# Altium PCB Mirror TurnSignal.PcbDoc
Units mm, origin at the board's own origin, x right, y up, seen from the top; angles counter-clockwise.
Board outline 98 x 50.01 mm, 2 copper layers (Top Layer, Bottom Layer); 59 components, 35 nets, 195 pads, 33 vias.
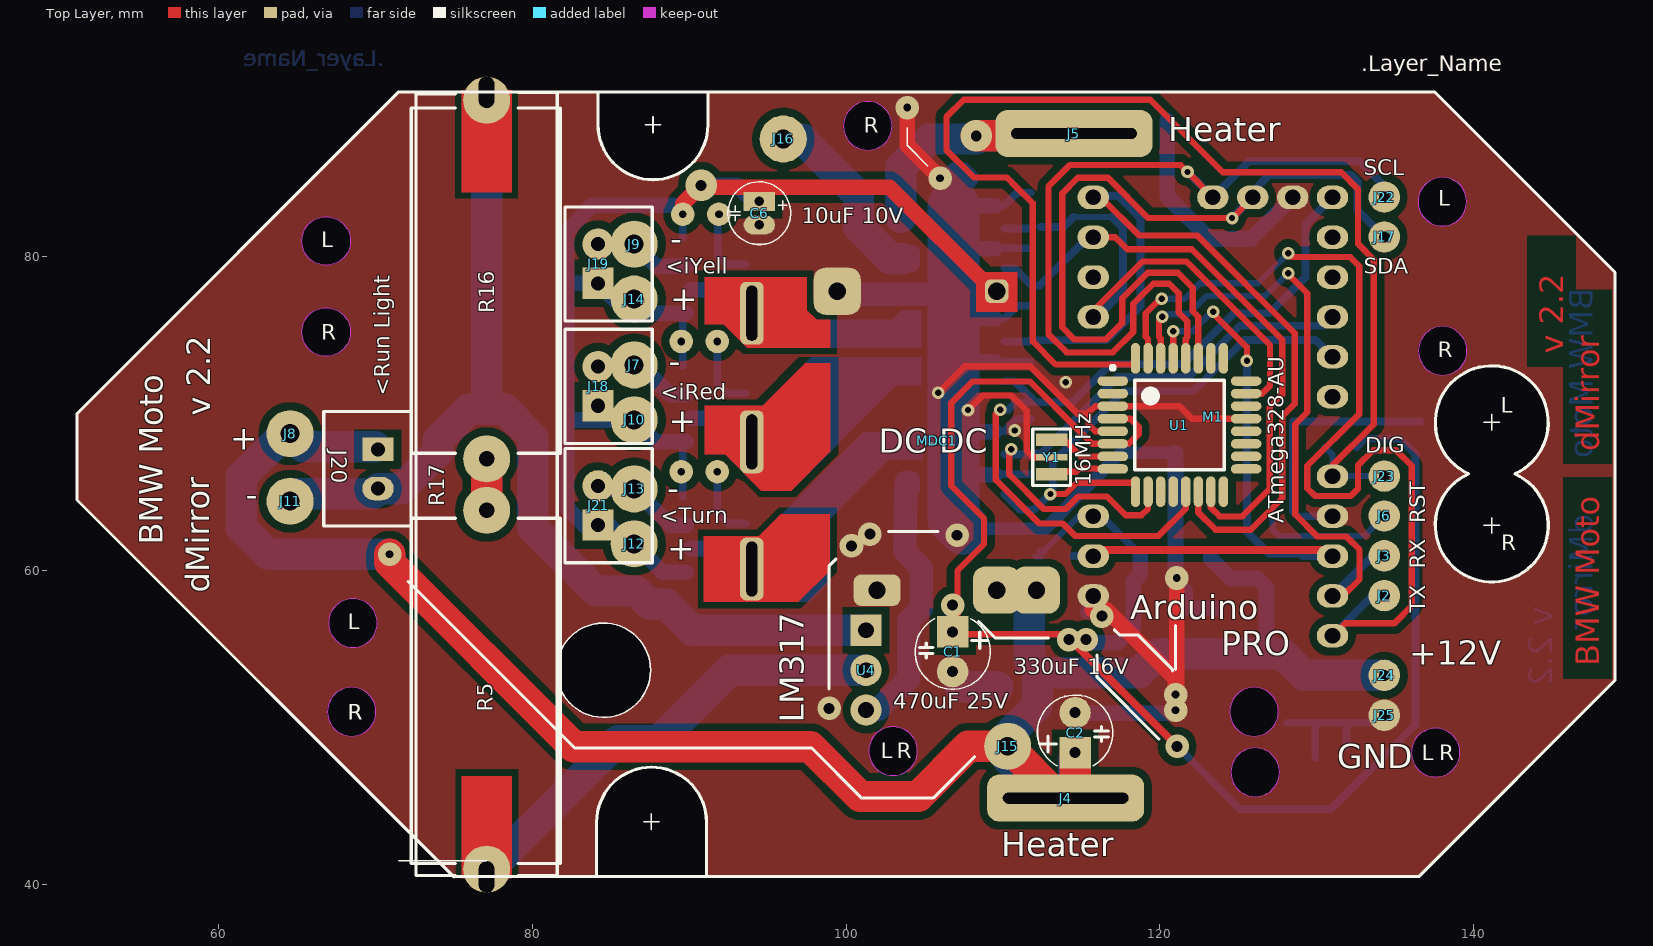
[diagram p0: Top Layer view]
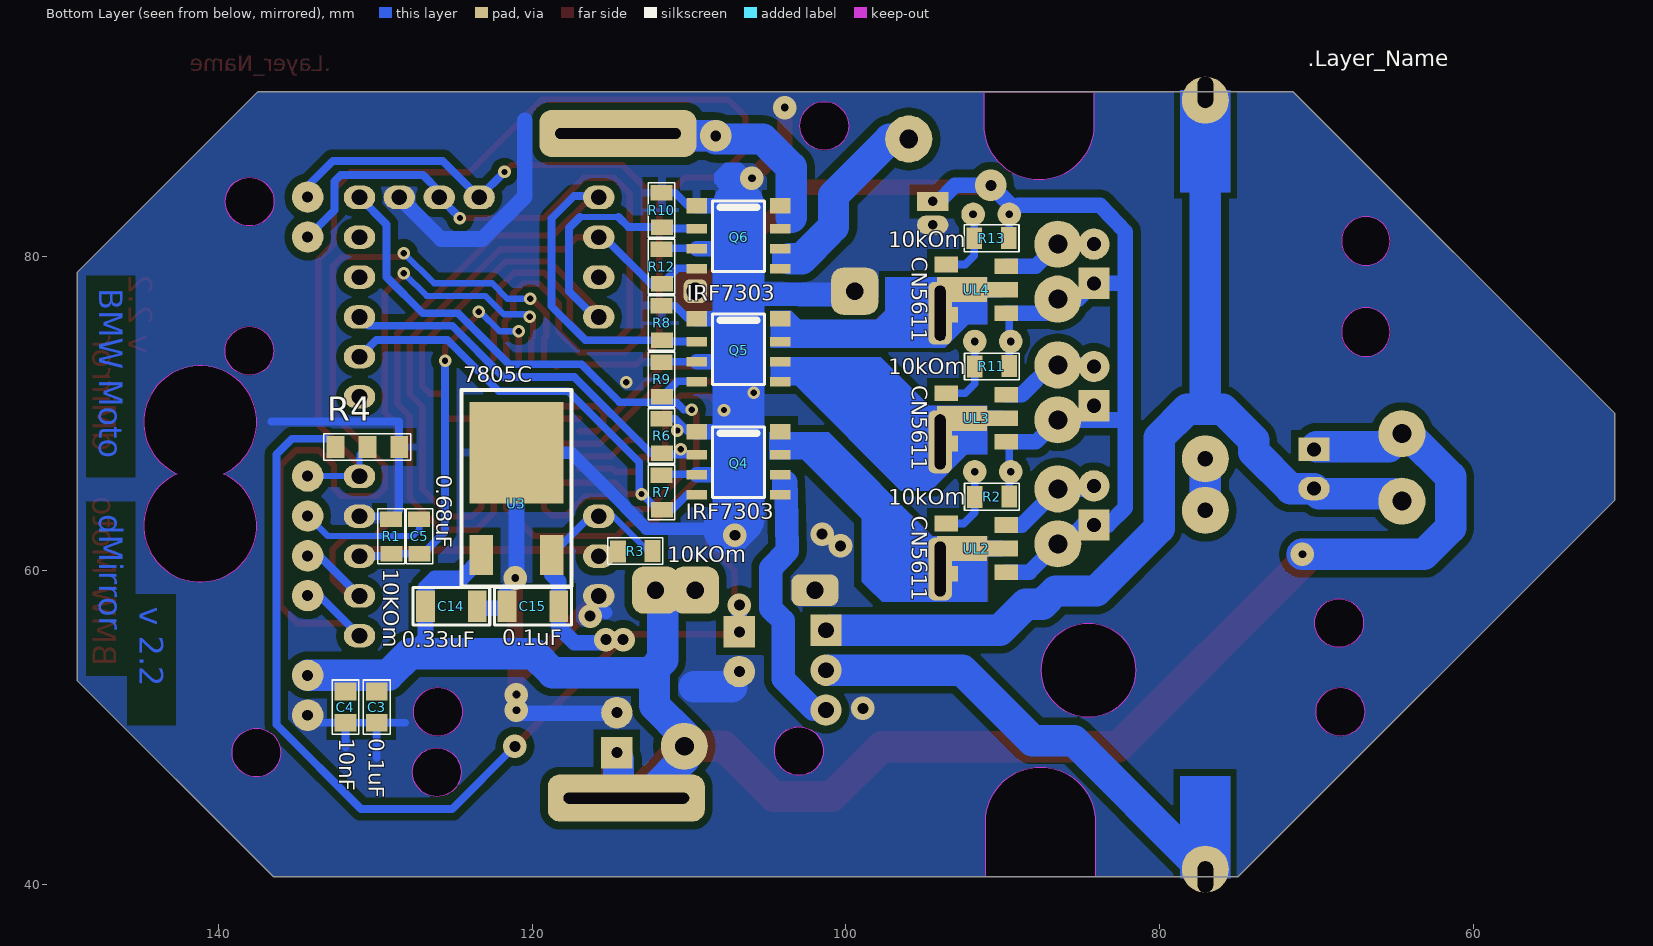
[diagram p1: Bottom Layer view, seen from below]

## Layer stack, top to bottom
Top Solder: solder mask 0.0102, Solder Resist, Dk 3.5
Top Layer: signal copper 0.0356
Dielectric 1: dielectric 0.32, FR-4, Dk 4.8
Bottom Layer: signal copper 0.0356
Bottom Solder: solder mask 0.0102, Solder Resist, Dk 3.5

## Board outline
51,64.5 51,70 71.5,90.5 137.5,90.5 149,79 149,53 136.5,40.5 75,40.5 75.012,40.488
cut-out: 81.55,53.65 ccw(c84.55,53.65) 84.55,50.65 ccw(c84.55,53.65) 87.55,53.65 ccw(c84.55,53.65) 84.55,56.65 ccw(c84.55,53.65)
cut-out: 124.45,51 ccw(c126,51) 126,49.45 ccw(c126,51) 127.55,51 ccw(c126,51) 126,52.55 ccw(c126,51)
cut-out: 139.662,66.171 cw(c141.15,69.449) 142.648,66.176 142.638,66.152 cw(c141.15,62.874)
cut-out: 101.45,48.5 ccw(c103,48.5) 103,46.95 ccw(c103,48.5) 104.55,48.5 ccw(c103,48.5) 103,50.05 ccw(c103,48.5)
cut-out: 101.448,48.492 ccw(c102.998,48.492) 102.998,46.942 ccw(c102.998,48.492) 104.548,48.492 ccw(c102.998,48.492) 102.998,50.042 ccw(c102.998,48.492)
cut-out: 99.839,88.339 ccw(c101.389,88.339) 101.389,86.789 ccw(c101.389,88.339) 102.939,88.339 ccw(c101.389,88.339) 101.389,89.889 ccw(c101.389,88.339)
cut-out: 136.45,83.5 ccw(c138,83.5) 138,81.95 ccw(c138,83.5) 139.55,83.5 ccw(c138,83.5) 138,85.05 ccw(c138,83.5)
cut-out: 136.47,74.002 ccw(c138.02,74.002) 138.02,72.452 ccw(c138.02,74.002) 139.57,74.002 ccw(c138.02,74.002) 138.02,75.552 ccw(c138.02,74.002)
cut-out: 136.025,48.4 ccw(c137.575,48.4) 137.575,46.85 ccw(c137.575,48.4) 139.125,48.4 ccw(c137.575,48.4) 137.575,49.95 ccw(c137.575,48.4)
cut-out: 136.452,83.508 ccw(c138.002,83.508) 138.002,81.958 ccw(c138.002,83.508) 139.552,83.508 ccw(c138.002,83.508) 138.002,85.058 ccw(c138.002,83.508)
cut-out: 124.525,47.15 ccw(c126.075,47.15) 126.075,45.6 ccw(c126.075,47.15) 127.625,47.15 ccw(c126.075,47.15) 126.075,48.7 ccw(c126.075,47.15)
cut-out: 67.032,56.657 ccw(c68.582,56.657) 68.582,55.107 ccw(c68.582,56.657) 70.132,56.657 ccw(c68.582,56.657) 68.582,58.207 ccw(c68.582,56.657)
cut-out: 66.95,51 ccw(c68.5,51) 68.5,49.45 ccw(c68.5,51) 70.05,51 ccw(c68.5,51) 68.5,52.55 ccw(c68.5,51)
cut-out: 66.875,73.65 cw(c66.875,75.2) 65.325,75.2 cw(c66.875,75.2) 66.875,76.75 cw(c66.875,75.2) 68.425,75.2 cw(c66.875,75.2)
cut-out: 66.875,79.45 cw(c66.875,81) 65.325,81 cw(c66.875,81) 66.875,82.55 cw(c66.875,81) 68.425,81 cw(c66.875,81)
cut-out: 84.11,40.5 91.11,40.5 91.11,43.974 ccw(c87.61,43.974) 84.11,43.974
cut-out: 84.2,88.4 ccw(c87.7,88.4) 91.2,88.4 91.2,90.5 84.2,90.5

## Design rules (kind name [scope] priority, off if disabled: settings)
Clearance "Mega 0.2" [InComponent('Y1', 'U1') vs InComponent('Y1', 'U1')] p1: gap=0.2 ignorepadtopadclearanceinfootprint=FALSE
Clearance Clearance_1 [InPolygon vs InPolygon] p2: gap=0.5 ignorepadtopadclearanceinfootprint=FALSE
Clearance Clearance_PolyToBrdCut [InPolygon vs IsRegion] p3: gap=0 ignorepadtopadclearanceinfootprint=FALSE
Clearance Clearance_Poly [InPolygon] p4: gap=0.5 ignorepadtopadclearanceinfootprint=FALSE except(0: Arc-Hole Track-Hole SMDPad-Hole THPad-Hole Via-Hole Fill-Hole Poly-Hole Region-Hole Text-Hole)
Clearance [All] p5: gap=0.3 ignorepadtopadclearanceinfootprint=FALSE except(0: Arc-Hole Track-Hole SMDPad-Hole THPad-Hole Via-Hole Fill-Hole Poly-Hole Region-Hole Text-Hole)
ComponentClearance Component2componentZero [InComponent('R4','R5','R16','R17','J21','J12','J13','J7','J9','J10','J14','J19','J18')] p1: gap=0 collisioncheckmode=3 verticalgap=0 showdistances=FALSE
ComponentClearance [All] p2: gap=0.01 collisioncheckmode=3 verticalgap=0.2 showdistances=FALSE
Height [All] p1: minheight=0 maxheight=25 prefheight=12.7
HoleSize [All] p1: absolutevalues=TRUE maxlimit=3.2 minlimit=0.4 maxpercent=80.000 minpercent=20.000
HoleToHoleClearance [All] p1: gap=0.2 allowstackedmicrovias=TRUE
PlaneClearance [All] p1: clearance=0.5
PlaneConnect [All] p1: planeconnectstyle=Relief reliefexpansion=0.5 reliefentries=4 reliefconductorwidth=0.5 reliefairgap=0.01
PolygonConnect [All] p1: thpad.connectstyle=Direct thpad.reliefconductorwidth=0.5 thpad.reliefentries=4 thpad.polygonreliefangle="90 Angle" thpad.airgapwidth=0.5 smdpad.connectstyle=Relief smdpad.reliefconductorwidth=0.5 smdpad.reliefentries=4 smdpad.polygonreliefangle="90 Angle" smdpad.airgapwidth=0.5 via.connectstyle=Direct via.reliefconductorwidth=0.5 via.reliefentries=4 via.polygonreliefangle="90 Angle" via.airgapwidth=0.5
RoutingVias [All] p1: holewidth=0.7 width=1.5 viastyle="Through Hole" minholewidth=0.4 minwidth=0.4 maxholewidth=3.2 maxwidth=7
SilkToSilkClearance [All] p1: silktosilkclearance=0.05
SilkToSolderMaskClearance [IsPad] p1: minsilkscreentomaskgap=0.2 clearancetoexposedcopper=TRUE
SolderMaskExpansion [All] p1: expansion=0.1
Width [All] p1: maxlimit=4 minlimit=0.2 preferedwidth=0.5
22 further rules are at their usual default settings.

## Classes and differential pairs
component class "Mirror TurnSignal - Connectors and Power supply": C1 C2 C3 C4 C6 C14 C15 J2 J3 J4 J5 J6 J7 J8 J9 J10 J11 J12 J13 J14 J15 J16 J17 J18 J19 J20 J21 J22 J23 J24 J25 MDC1 U3
component class "Mirror TurnSignal": C5 C9 M1 Q4 Q5 Q6 R1 R2 R3 R4 R5 R6 R7 R8 R9 R10 R11 R12 R13 R16 R17 U1 U4 UL2 UL3 UL4 Y1

## Components (designator, comment, footprint, x,y, rotation, side; value= is the part's Value field where it differs from the comment)
C1 "330uF 16V" "Cap E p2.54mm D4xH8 (2p)" 106.8,56.1 r270 top
C2 "470uF 25V" "Cap E p2.54mm D4xH8 (2p)" 114.6,48.4 r90 top
C3 "0.1uF" "SMD 0805 (2012)"#1 129.9,52.3 r270 bottom
C4 "10nF" "SMD 0805 (2012)"#1 131.9,52.3 r270 bottom
C5 "0.68uF" "SMD 0805 (2012)"#2 127.2,63.2 r270 bottom
C6 "10uF 10V" "Cap E p1.5mm D4xH8 (2p)" 94.475,83.525 r270 top
C14 "0.33uF" "SMD 1206 (3216)" 126.8,57.725 r180 bottom
C15 "0.1uF" "SMD 1206 (3216)" 118.3,57.725 r0 bottom
J2 "TX" "OnePin 0.7x2" 134.3,58.4 r0 top
J3 "RX" "OnePin 0.7x2" 134.3,60.94 r0 top
J4 "Heater" "OnePin 3x10mm Hole 0.7x8" 114,45.5 r180 top
J5 "Heater" "OnePin 3x10mm Hole 0.7x8" 114.525,87.85 r180 top
J6 "RST" "OnePin 0.7x2" 134.3,63.48 r0 top
J7 "iR" "OnePin 1.2x3" 86.5,73.1 r180 top
J8 "OnePinC" "OnePin 1.2x3" 64.575,68.725 r0 top
J9 "iY" "OnePin 1.2x3" 86.5,80.8 r180 top
J10 "OnePinC" "OnePin 1.2x3" 86.5,69.6 r180 top
J11 "RunLight" "OnePin 1.2x3" 64.575,64.425 r0 top
J12 "OnePinC" "OnePin 1.2x3" 86.5,61.7 r180 top
J13 "Turn" "OnePin 1.2x3" 86.5,65.2 r180 top
J14 "OnePinC" "OnePin 1.2x3" 86.5,77.3 r180 top
J15 "OnePinC" "OnePin 1.2x3" 110.3,48.8 r180 top
J16 "Reserved" "OnePin 1.2x3" 96,87.5 r180 top
J17 "SDA" "OnePin 0.7x2" 134.3,81.26 r0 top
J18 "Connector" CWF-2#1 84.2,73 r0 top
J19 "Connector" CWF-2#1 84.2,80.8 r0 top
J20 "Connector" CWF-2#2 70.175,65.225 r180 top
J21 "Connector" CWF-2#1 84.2,65.4 r0 top
J22 "SCL" "OnePin 0.7x2" 134.3,83.8 r0 top
J23 "DIG" "OnePin 0.7x2" 134.3,66.02 r0 top
J24 "+12V" "OnePin 0.7x2" 134.3,53.32 r0 top
J25 "GND" "OnePin 0.7x2" 134.3,50.78 r0 top
M1 "Arduino" "Arduino Pro Mini Low (no A0-3,6-7,D3)" 131,91.4 r270 top
MDC1 "DC-DC" "DC-DC_MP1584N - spec1 (less pins)" 112.14,58.75 r90 top
Q4 "IRF7303" SO8 109.5,68.65 r180 bottom
Q5 "IRF7303" SO8 109.5,75.85 r180 bottom
Q6 "IRF7303" SO8 109.5,83.05 r180 bottom
R1 "10KOm" "SMD 0805 (2012)"#2 129,63.2 r270 bottom
R2 "10kOm" "SMD 0805 (2012)"#2 89.675,64.725 r0 bottom
R3 "10KOm" "SMD 0805 (2012)"#2 114.45,61.225 r180 bottom
R4 "1: Om; 2: Om" "SMD 0805 (2012) Double" 132.541,67.85 r180 bottom
R5 "Om" "Res 5W L22mm, p22.86" 77.1,63.835 r270 top
R6 "10 kOm" "SMD 0805 (2012)"#2 111.725,67.55 r90 bottom
R7 "10 kOm" "SMD 0805 (2012)"#2 111.725,63.95 r90 bottom
R8 "10 kOm" "SMD 0805 (2012)"#2 111.725,74.75 r90 bottom
R9 "10 kOm" "SMD 0805 (2012)"#2 111.725,71.15 r90 bottom
R10 "10 kOm" "SMD 0805 (2012)"#2 111.725,81.95 r90 bottom
R11 "10kOm" "SMD 0805 (2012)"#2 89.675,73.025 r0 bottom
R12 "10 kOm" "SMD 0805 (2012)"#2 111.725,78.35 r90 bottom
R13 "10kOm" "SMD 0805 (2012)"#2 89.7,81.2 r0 bottom
R16 "Om" "Res 5W L22mm, p22.86" 77.1,89.975 r270 top
R17 "Om" "Res 10W L48mm, p49mm" 77.1,89.975 r270 top
U1 "ATmega328-AU" 32A_M 121.25,69.275 r0 top
U3 "7805C" D-PAK 121,67.5 r270 bottom
U4 "LM317" "TO220 L" 101.275,56.19 r180 top
UL2 "CN5611" SOT-89-5 93.7,61.4 r90 bottom
UL3 "CN5611" SOT-89-5 93.7,69.7 r90 bottom
UL4 "CN5611" SOT-89-5 93.7,77.9 r90 bottom
Y1 "16MHz" "XTAL - 3.2x1.2 SMD ws GND" 113.1,66.025 r90 top

## Footprints (in the part's own frame and the unit in brackets; to place one, negate y for a bottom-side part, rotate by r counter-clockwise, add the part's x,y. Pads: shape width x height; smd on the part's side, far side on the other; paste and mask are expansions set on the pad)
32A_M [mm] "Thin QFP, 32-Leads, Body 7x7mm, Pitch 0.8mm, IPC Low Density"
  oval 1.95x0.6 smd: 1(-4.25,2.8) 2(-4.25,2) 3(-4.25,1.2) 4(-4.25,0.4) 5(-4.25,-0.4) 6(-4.25,-1.2) 7(-4.25,-2) 8(-4.25,-2.8) 17(4.25,-2.8) 18(4.25,-2) 19(4.25,-1.2) 20(4.25,-0.4) 21(4.25,0.4) 22(4.25,1.2) 23(4.25,2) 24(4.25,2.8)
  oval 0.6x1.95 smd: 9(-2.8,-4.25) 10(-2,-4.25) 11(-1.2,-4.25) 12(-0.4,-4.25) 13(0.4,-4.25) 14(1.2,-4.25) 15(2,-4.25) 16(2.8,-4.25) 25(2.8,4.25) 26(2,4.25) 27(1.2,4.25) 28(0.4,4.25) 29(-0.4,4.25) 30(-1.2,4.25) 31(-2,4.25) 32(-2.8,4.25)
  silkscreen extent -4.37,-2.85 2.85,3.77, body extent -3.5,-3.5 3.5,3.5, height 1.2
"Arduino Pro Mini Low (no A0-3,6-7,D3)" [mm]
  oval 1.5x2 hole 1: 5V(27.94,-15.24) A4(7.62,-5.08) A5(7.62,-7.62) D2(25.4,0) D4(20.32,0) D5(17.78,0) D6(15.24,0) D7(12.7,0) D8(10.16,0) D9(7.62,0) D10(7.62,-15.24) D11(10.16,-15.24) D12(12.7,-15.24) D13(15.24,-15.24) GND(7.62,-2.54) GND(27.94,0) GND(33.02,-15.24) Reset(30.48,-15.24) Reset(30.48,0) RXD(33.02,0) TXD(35.56,0)
  body extent 5.63,-16.93 39.63,1.67, height 12.5
"Cap E p1.5mm D4xH8 (2p)" [mm] "D 4mm; H 8mm"
  rect 1.2x2 hole 0.6: 1(0,0)
  oval 1.2x2 hole 0.6: 2(1.5,0)
  silkscreen extent -1.25,-2 2.75,2, body extent -1.25,-2 2.74,2, height 7.31
"Cap E p2.54mm D4xH8 (2p)" [mm] "D 4mm; H 8mm"
  rect 2x2 hole 0.7: 1(0,0)
  round 2 hole 0.7: 2(2.54,0)
  silkscreen extent -0.84,-2.4 3.67,2.4, body extent -0.7,-2.05 3.29,1.95, height 7.31
CWF-2#1 [mm]
  rect 2x2 hole 0.9: 1(0,-2.5)
  round 2 hole 0.9: 2(0,0)
  silkscreen extent -2.1,-4.9 3.45,2.37, body extent -2.2,-5 3.55,2.5, height 7
CWF-2#2 [mm]
  rect 2x1.5 hole 0.9: 1(0,-2.5)
  oval 2x1.5 hole 0.9: 2(0,0)
  silkscreen extent -2.1,-4.9 3.45,2.37, body extent -2.2,-5 3.55,2.5, height 7
D-PAK [mm]
  rect 2.54x1.5 smd: 1(6.5,-2.25) 3(6.5,2.25)
  rect 6.48x5.97 smd: 2(0,0)
  silkscreen extent -4,-3.5 8.5,3.5, body extent -2.7,-3.29 7,3.29, height 2.3
"DC-DC_MP1584N - spec1 (less pins)" [mm]
  rrect50% 2x3 hole 1.1: GND(0,10.16)
  rrect50% 3x3 hole 1.1: GND(19.05,12.7) IN(0,2.54) IN(0,0)
  rrect50% 1.5x1.5 hole 1.1: Out(19.05,2.54)
  body extent -1.27,-1.27 20.3,14.07, height 6.7
"OnePin 0.7x2" [mm]
  round 2 hole 0.7: 1(0,0)
"OnePin 1.2x3" [mm]
  round 3 hole 1.2: 1(0,0)
"OnePin 3x10mm Hole 0.7x8" [mm]
  rrect50% 10x3 hole 0.7 slot 8 at 0 deg: 1(0,0)
"Res 5W L22mm, p22.86" [mm] "L22mm pp22.86; horisontal"
  round 3 hole 1: 1(0,0) 2(22.86,0)
  silkscreen extent 0.5,-4.8 22.5,4.7, body extent -0.4,-4.5 23.26,4.5, height 9.5
"Res 10W L48mm, p49mm" [mm] "L48mm p49; horisontal"
  round 3 hole 1: 1(0,0) 2(49,0)
  silkscreen extent -0.5,-4.5 49.4,4.5, body extent -0.4,-4.5 49.4,4.5, height 10.55
"SMD 0805 (2012)"#1 [mil]
  rect 45x55 smd: 1(0,0) 2(78.74,0)
  silkscreen extent -29,-33 107,33, body extent 1,-25 80,25, height 31
"SMD 0805 (2012)"#2 [mil]
  rect 39.37x55.12 smd: 1(-2.95,0) 2(83.66,0.98)
  silkscreen extent -29,-32 109,34, body extent 0,-25 79,25, height 31
"SMD 0805 (2012) Double" [mil]
  rect 45x55 smd: 1(0.35,0.98) 2(160.35,0.98) 3(80.35,0.98)
  silkscreen extent -29,-32 189,34, body extent 1,-24 159,26, height 18
"SMD 1206 (3216)" [mm]
  rect 1.2x2 smd: 1(0,0) 2(3.3,0)
  silkscreen extent -0.8,-1.2 4.1,1.2, body extent 0.05,-0.75 3.25,0.85, height 1
SO8 [mm]
  rect 1.3x1 smd: 1(0,0.2) 8(5.3,0.2)
  rect 1.3x0.6 smd: 2(0,-1.27) 3(0,-2.54) 4(0,-3.81) 5(5.3,-3.81) 6(5.3,-2.54) 7(5.3,-1.27)
  silkscreen extent 1,-4 4.3,0.5, body extent -0.32,-4.33 5.67,0.57, height 1.6
SOT-89-5 [mm]
  rect 1x1.5 smd: 1(-1.5,-3.9) 3(1.5,-3.9) 4(1.6,-0.1) 5(-1.6,-0.1)
  rect 1x2.1 smd: 2(0,-3.6)
  rect 1.6x3.2 smd: 2(0,-1.1)
  Top Layer lines w1: 0,-3.6 0,-2
  body extent -2.25,-3.8 2.25,0, height 1.5
"TO220 L" [mm]
  rect 2x2 hole 1: 1(0,0)
  round 2 hole 1: 2(0,2.54) 3(0,5.08)
  body extent -0.2,-2.45 19.5,7.55, height 4.5
"XTAL - 3.2x1.2 SMD ws GND" [mm]
  rect 0.8x2 smd: 1(0.1,0) 2(2.3,0)
  rect 0.4x2 smd: 3(1.2,0)
  silkscreen extent -0.6,-1.2 3,1.2, body extent -0.4,-0.65 2.8,0.65, height 1.02

## Part data
C1 C2 C6: library part "Cap Elecrolitic", "Capacitor"
C3 C4 C5 C14 C15: library part "Cap SMD 0402-1812", "Capacitor"
J2 J3 J4 J5 J6 J7 J8 J9 J10 J11 J12 J13 J14 J15 J16 J17 J22 J23 J24 J25: library part "OnePin Connector", "Only pad"
J18 J19 J20 J21: library part "CWF-2 (R)", "CWF series"
M1: library part "Arduino Pro Micro"
MDC1: library part "DC-DC MP1584N", "DC-DC StepDown"
Q4 Q5 Q6: "Dual N-Ch  30V - 0.05? - 4.9A", I d - Drain current (continuous) at TC = 25°C="4.9 A", I d - Drain current (continuous) at TC = 70°C="3.9 A", Manufacturer=Farchild, C In=520pF, C Out=180pF, Datasheet=http://tec.org.ru/board/0-0-0-3164-20, Name=IRF7303, RDS=<0.05Om, V DSS (v)="30 v"
R1 R2 R3 R6 R7 R8 R9 R10 R11 R12 R13: library part "Res All Types"
R4: library part "Res SMD (Select one way)", "Choice from two resistors"
R5 R16: library part "Res 5W", "5W Cement"
R17: library part "Res 10W", "10W Cement"
U1: "8-bit AVR Microcontroller, 32KB Flash, 1KB EEPROM, 2KB SRAM, 32-pin TQFP, Industrial Grade (-40°C to 85°C)", Supplier Part Number 1=ATMEGA328-AU-ND, Code_JEDEC=MS-026-ABA, ComponentLink1Description="Manufacturer Link", ComponentLink1URL=http://www.atmel.com/products/avr/default.asp?, ComponentLink2Description="ATmega48A/48PA/88A/88PA/168A/168PA/328/328P Datasheet", ComponentLink2URL=http://www.atmel.com/dyn/resources/prod_documents/8271.pdf, ComponentLink3Description="ATmega48A/48PA/88A/88PA/168A/168PA/328/328P Summary", ComponentLink3URL=http://www.atmel.com/dyn/resources/prod_documents/8271S.pdf, ComponentLink4Description="Atmel.com Home", ComponentLink4URL=http://www.atmel.com, DatasheetVersion="revA, Jan-2010", PackageDescription="32-Lead, 7x7x1.0 mm Body, 0.8mm Lead Pitch, Thin Profile Plastic Quad Flat Package (TQFP)", PackageReference=32A, PackageVersion="revB, Oct-2001", Published=1-Apr-2010, Publisher="Altium Limited", Supplier 1=Digi-Key, Supplier 2=Mouser, Supplier Part Number 2=556-ATMEGA328-AU
U3: "Voltage Regulator", Case=D2PAK, Manufacturer=Интеграл, Max Voltage In (V)=35, I output (A)=1, Name=7805C, Shema=http://tec.org.ru/_bd/5/57349922.jpg, t=-10..+70°C, V Out=+4,8..5,2V, Напряжение выход-вход (dropout)=>2V
U4: library part LM-317, "Voltage Regulator", Case=TO-220, Datasheet=http://www.ti.com/lit/ds/symlink/lm317.pdf, I output (A) Adjustable=0.01...1.5A, V Out=+1,2...37V, Напряжение выход-вход (dropout)="2 v"
UL2 UL3 UL4: "Led Driver 0-800mA 2.7-6V", ComponentLink2Description=Datasheet, Name=CN5611, PackageDescription=SOT-89
Y1: library part "XTAL ws CAP", "3 Pin with Capacitors", CSTCE16M0V53-R0 DatySheet=http://www.murata.com/~/media/webrenewal/support/library/catalog/products/timingdevice/ceralock/p17e.ashx, PackageDescription="Crystal, SMD; 3 Pads; Body 3.2 x 1.2 x 1 mm"

## Free pads (board coordinates)
  round 1.5 hole 0.5: 2(91.8,66.3) 2(91.8,74.6) 2(91.9,82.7) 3(89.5,66.3) 3(89.5,74.6) 3(89.6,82.7)
  rrect50% 1.5x4 hole 0.7 slot 3.5 at 90 deg: 4(94,60.1) 4(94,68.2) 4(94,76.4)
  oval 1x2 hole 1 slot 2 at 90 deg: 9(77.1,40.475) 9(77.1,90.475)

## Via types
v1: diameter 0.8, hole 0.4, Top Layer to Bottom Layer, 16 vias
v2: diameter 1.5, hole 0.7, Top Layer to Bottom Layer, 9 vias
v3: diameter 1.5, hole 0.5, Top Layer to Bottom Layer, 6 vias
v4: diameter 2, hole 0.7, Top Layer to Bottom Layer, 2 vias

## Nets (pads, with @x,y where several pads share a name; then routed paths per layer and width w, separated by ;. In a path a pad name is that pad's centre, name@x,y a point inside that pad or via, vN(x,y) a via of type N, cw(c..) or ccw(c..) an arc to the next point about the centre after c; other vN are vias at no path point)
+5V: C1.1 C15.1 M1.5V R3.2 R4.1 U1.4 U1.6 U3.3 | length 110.1
  Top Layer w0.4: v2(114.2,55.6) 113.855,55.945 107.355,55.945 107.1,56.2 107.1,60 108.8,61.7 108.8,63.3 106.7,65.4 106.7,70.675 108.075,72.05 111.71,72.05 114.75,69.01 115.685,68.075 U1.6 118.025,68.075 118.65,68.7 118.65,69.15 118.125,69.675 U1.4
  Top Layer w0.5: v2(114.2,55.6) 114.2,55.7 v2(121.1,48.8)
  Bottom Layer w0.4: R3.2@112.1,60.9 R3.2@112.45,60.9 ; R3.2 112.625,61.25 114.835,63.46 M1.5V
  Bottom Layer w0.5: M1.5V 116.29,63.46 U3.3 ; v2(121.1,48.8) 125.1,44.8 130.9,44.8 136.3,50.2 136.3,67.4 135.3,68.4 133.057,68.4 R4.1
  Bottom Layer w1: C1.1 v2(106.8,57.8) ; v2@114.6,55.6 v2(115.3,55.6) 115.5,55.4 117.3,55.4 118.3,56.4 C15.1 118.3,59.3 118.75,59.75 U3.3
"+5V P": C6.1 J10.1 J12.1 J14.1 J18.1 J19.1 J21.1 MDC1.Out pad.3 R2.1 R11.1 R13.1 UL2.1 UL3.1 UL4.1 | length 90.7
  Top Layer w1: pad.3@89.6,82.7 89.6,83.375 v4@90.65,84.425 ; v4(90.775,84.55) v4@90.65,84.425 ; MDC1.Out@109.55,77.775 109.425,77.775 102.775,84.425 94.475,84.425 v4@90.65,84.425
  Bottom Layer w0.5: R2.1 89.6,68 UL3.1 ; R11.1 89.6,76.2 UL4.1 ; pad.3@89.6,82.7 89.6,81.225 R13.1
  Bottom Layer w1: 82.3,69.6 J10.1@85.1,69.6 ; J18.1 J10.1@85.1,69.6 ; J12.1@86.3,61.5 84.9,62.9 J21.1 83.3,62.9 82.2,64 82.2,78.3 ; J12.1 88.3,59.9 UL2.1 ; J14.1 85.2,77.3 J19.1 82.2,78.3 ; J14.1@87.3,76.4 UL4.1 ; UL3.1 87.9,68.2 J10.1 J10.1@85.1,69.6 ; C6.1 94.075,83.525 93.05,84.55 v4(90.775,84.55) 89.6,83.375 89.6,82.7 89.025,83.275 83.805,83.275 82.2,81.59 82.2,78.3
+12V: C2.1 C3.1 C4.1 C14.1 J4.1 J8.1 J15.1 J20.1 J24.1 MDC1.IN U3.1 | length 127.5
  Top Layer w2: v3(70.915,61.035) 70.915,60.51 82.651,48.774 97.726,48.774 100.9,45.6 104.6,45.6 107.8,48.8 J15.1@109.5,48.8 ; J15.1 113.6,45.5 J4.1 114.6,46.1 C2.1
  Bottom Layer w1: U3.1 123.25,60.75 124.5,59.5 126.2,59.5 126.8,58.9 C14.1 126.8,55.7 127.8,54.7
  Bottom Layer w1.5: J20.1@70,67.9 J20.1
  Bottom Layer w2: J20.1@70,67.9 65.4,67.9 J8.1 64.225,68.725 61.475,65.975 61.475,62.725 63.165,61.035 v3(70.915,61.035) ; MDC1.IN@111.675,58.85 111.675,54.325 111.96,54.04 ; J4.1@112.3,46 110.3,48 J15.1 110.3,49.5 112.2,51.4 112.2,53.5 118.7,53.5 119.9,54.7 127.8,54.7 129.16,53.34 J24.1@134.3,53.34 ; J4.1 114.5,46 C2.1@114.5,47.96
DIG: J23.1 M1.D2 R4.3 U1.32 | length 79.3
  Top Layer w0.4: U1.32@118.45,72.975 118.3,73.125 113.375,73.125 111.9,74.6 111.9,83.4 110.8,84.5 110.25,85.05 108.15,85.05 106.4,86.8 106.4,88.9 107.5,90 119.375,90 124,85.375 131.552,85.375 132.625,84.302 132.625,80.814 133.625,79.814 133.625,69.325 131,66.7 M1.D2
  Bottom Layer w0.4: R4.3 131,67.375 M1.D2 131.02,66.02 J23.1
GND: C1.2 C2.2 C3.2 C4.2 C6.2 C14.2 C15.2 J25.1 M1.GND MDC1.GND Q4.1 Q4.3 Q5.1 Q5.3 Q6.1 Q6.3 R1.1 R4.2 R6.2 R7.2 R8.2 R9.2 R10.2 R12.2 U1.3 U1.5 U1.21 U3.2 Y1.3 | length 189.2
  Top Layer w0.4: v1(105.875,71.325) 107.575,73.025 111.725,73.025 114.75,70 115.45,70 115.45,69.3 115.875,68.875 U1.5 ; v1(107.775,70.225) 108.7,71.15 110.55,71.15 111.525,70.175 111.525,67.625 111.925,67.225 Y1.3 ; 115.45,70.05 115.875,70.475 U1.3 121.25,70.475 122.05,69.675 U1.21
  Top Layer w1: v3(103.9,89.5) 103.9,87.1 v3(106,85) ; v2@115.7,57.5 116.6,57.5 121,53.1 v3(121,52.1) ; v3(121,51.1) 121.075,51.175 v3(121.075,59.525)
  Bottom Layer w0.5: Q5.3 111.715,73.31 R9.2 ; Q4.3@110.1,66.135 R7.2@111.69,66.135 ; Q4.1@110.1,68.875 110.9,69.675 R6.2 ; Q5.1@110.1,76.075 110.9,76.875 R8.2 ; Q6.3@110.1,80.535 R12.2@111.69,80.535 ; Q6.1@110.1,83.275 110.9,84.075 R10.2 ; 128.1,50.3 C3.2 ; 129.9,48.069 C3.2 ; M1.GND@131,63.46 129.185,63.46 R1.1 128.475,63.8 128.475,69.5 136.6,69.5 ; 131.9,48.75 C4.2 ; J25.1@133.5,50.3 C4.2 ; C3.2 C4.2
  Bottom Layer w0.8: v2@107.475,62.675 112.715,62.675 114.06,64.02 114.06,64.061 117.499,67.5 U3.2 ; 115.275,57.325 115.76,57.81 M1.GND@115.76,58.38
  Bottom Layer w1: 106.85,83.25 Q6.1 ; 106.865,66.11 Q4.3 ; 106.885,80.51 Q6.3 ; 106.9,68.85 Q4.1 ; 106.9,76.05 Q5.1 ; 106.965,73.31 Q5.3 ; C2.2@114.5,50.5 114.9,50.9 120.6,50.9 v3@121,51.3 ; 120.475,88.7 120.475,83.825 123.175,81.125 125.805,81.125 M1.GND@128.46,83.78 ; v3@121,59.3 U3.2 ; C15.2@121.6,58.7 C15.2 121.6,57.6 C14.2@123.5,57.6
  Bottom Layer w1.5: MDC1.GND@99.1,77.6 106.55,77.6 106.85,77.9
  Bottom Layer w2: 107.325,52.65 107.275,52.6 109.66,52.6
  Bottom Layer w3.3: 106.85,83.25 106.85,77.9 106.85,63.3 v2@107.475,62.675
  other v1: 110.75,68.925 114,72
  other v2: 98.925,51.225 116.3,57.1 100.35,61.575 107.075,62.25 101.525,62.325
MISO: M1.D12
NetR2_2: pad.2@91.8,66.3 R2.2 UL2.4 | length 4.7
  Bottom Layer w0.5: pad.2@91.8,66.3 R2.2 91.8,63.7 92.5,63 UL2.4
NetR5_1: R5.1 R16.2 | length 6.6
  Top Layer w2: R5.1 R16.2
  Bottom Layer w2: R5.1@77.1,64.06 R16.2 R16.2@77.1,67.34
NetR5_2: pad.9@77.1,40.475 R5.2 R17.2 U4.2 | length 29.1
  Bottom Layer w2: R5.2@77.1,41.2 77.525,41.2 85.475,49.15 88.1,49.15 92.6,53.65 U4.2@101.065,53.65
NetR11_2: pad.2@91.8,74.6 R11.2 UL3.4 | length 4.7
  Bottom Layer w0.5: pad.2@91.8,74.6 R11.2 91.8,71.9 92.4,71.3 UL3.4
NetR13_2: pad.2@91.9,82.7 R13.2 UL4.4 | length 4.7
  Bottom Layer w0.5: pad.2@91.9,82.7 91.825,82.625 R13.2 91.825,80.075 92.4,79.5 UL4.4
NetU1_7: U1.7 Y1.2 | length 4.3
  Top Layer w0.4: Y1.2 113.907,68.325 114.957,67.275 U1.7
NetU1_8: U1.8 Y1.1 | length 4.1
  Top Layer w0.4: Y1.1 113.275,66.3 114.675,66.3 114.875,66.5 115.969,66.5 115.969,66.475 U1.8
O-DIGITAL: J16.1 Q6.5 Q6.6 | length 12.2
  Bottom Layer w1: Q6.5@104.2,79.525 Q6.6@104.2,80.25
  Bottom Layer w2: J16.1 97.2,87.5 100.8,83.9 100.8,81.9 ; 101.162,81.538 102.825,79.875 103.625,79.875
O-HEATER: J5.1 Q6.7 Q6.8 | length 18.1
  Top Layer w2: v4(108.3,87.7) J5.1@111.4,87.7
  Bottom Layer w2: 103.5,82.5 103.5,85.7 105.3,87.5 v4@108.3,87.5 ; v4(108.3,87.7) 114.375,87.7 J5.1
O-HLIGHT: J11.1 J20.2 pad.9@77.1,90.475 R16.1 R17.1 U4.1 | length 64.5
  Bottom Layer w2: J11.1 65.05,64.9 69.85,64.9 J20.2 71.675,65.225 74.025,67.575 74.025,68.3 76,70.275 78.25,70.275 80.05,68.475 80.05,62.7 84.05,58.7 86.65,58.7 87.5,57.85 88.55,57.85 90.2,56.2 U4.1@101.075,56.2 ; 77.1,71.4 77.1,87.35
O-IRED: J7.1 J18.2 UL3.3 | length 6.4
  Bottom Layer w1: J18.2@84.2,73.1 J7.1 86.9,73.1 88.8,71.2 UL3.3
O-IYELLOW: J9.1 J19.2 UL4.3 | length 6.3
  Bottom Layer w1: J19.2@84.3,80.7 J19.2 J9.1 87.9,79.4 UL4.3
O-TURN: J13.1 J21.2 UL2.3 | length 6.8
  Bottom Layer w1: J21.2 J21.2@84.4,65.2 ; J21.2@84.5,65.1 J21.2@84.4,65.2 ; UL2.3 88.8,62.9 J13.1 J21.2@84.4,65.2
OL-DIGITAL: M1.D13 Q6.2 R10.1 U1.23 | length 34.4
  Top Layer w0.4: M1.D13 115.76,76.56 118.9,79.7 121.675,79.7 127.025,74.35 127.025,71.794 126.506,71.275 U1.23
  Top Layer w0.5: M1.D13@115.24,76.16 M1.D13
  Bottom Layer w0.4: 114.5,82.525 116.95,82.525
  Bottom Layer w0.5: Q6.2@110.1,81.805 R10.1@111.655,81.805 ; R10.1@112.4,81.9 113.875,81.9 114.5,82.525 ; M1.D13@115.42,76.5 M1.D13 116.01,76.16 117.65,77.8 117.65,81.825 116.95,82.525
OL-HEATER: M1.D11 Q6.4 R12.1 U1.15 | length 37.8
  Top Layer w0.4: M1.D11 117.16,81.24 117.925,80.475 122.025,80.475 127.8,74.7 127.8,71.225 127,70.425 127,65.2 125.25,63.45 123.819,63.45 123.25,64.019 U1.15
  Bottom Layer w0.5: Q6.4@110.1,79.265 110.735,79.265 R12.1 111.825,78.175 112.35,78.175 M1.D11@115.415,81.24 ; M1.D11@115.34,81.24 M1.D11@115.415,81.24 ; M1.D11 M1.D11@115.415,81.24
OL-HLIGHT: M1.D5 Q4.4 R7.1 U1.9 | length 33.1
  Top Layer w0.4: v1(113.025,64.875) 113.975,64.875 114.7,65.6 U1.9@118.45,65.6
  Bottom Layer w0.5: Q4.4@110.1,64.865 111.09,63.875 R7.1 112,63.875 113.175,65.05 113.175,66.9 117.7,71.425 122.125,71.425 125.4,74.7 129.92,74.7 M1.D5
OL-IRED: M1.D9 Q5.4 R9.1 U1.13 | length 51.2
  Top Layer w0.4: v1(109.825,70.25) 109.55,69.975 109.55,65.775 112.325,63 113.8,63 114.6,62.2 119.9,62.2 121.65,63.95 U1.13
  Bottom Layer w0.5: v1(109.825,70.25) 110.344,70.25 110.569,70.475 110.572,70.475 110.822,70.725 R9.1@111.775,70.725 ; Q5.4@110.1,72.065 110.735,72.065 R9.1 111.925,70.875 R9.1@111.775,70.725 ; M1.D9 129.275,82.055 129.275,78.706 126.969,76.4 124.725,76.4 121.475,73.15 116.85,73.15 114.425,70.725 R9.1@111.775,70.725
OL-IYELLOW: M1.D10 Q5.2 R8.1 U1.14 | length 53.9
  Top Layer w0.4: M1.D10 116.245,83.78 118.675,81.35 122.375,81.35 128.6,75.125 128.6,70.625 127.8,69.825 127.8,64.6 125.8,62.6 123.55,62.6 122.45,63.7 U1.14
  Bottom Layer w0.5: Q5.2@110.1,74.605 R8.1@111.655,74.605 ; R8.1 116.6,74.675 118.775,76.85 118.775,82.425 117.34,83.86 M1.D10@115.84,83.86
OL-TURN: M1.D6 Q4.2 R6.1 U1.10 | length 37.9
  Top Layer w0.4: v1(110.53,67.728) 110.518,67.728 110.4,67.61 110.4,66.125 112.6,63.925 114.015,63.925 114.815,64.725 116.625,64.725 117.825,63.525 118.825,63.525 119.25,63.95 U1.10
  Bottom Layer w0.5: Q4.2@110.1,67.405 R6.1@111.655,67.405 ; R6.1 112.45,67.475 117.3,72.325 121.825,72.325 125.1,75.6 130.44,75.6 M1.D6
OM-HLIGHT: Q4.5 Q4.6 U4.3 | length 17.3
  Bottom Layer w1: 104.2,65.15 Q4.6@104.2,65.825
  Bottom Layer w1.5: U4.3@101.5,51.175 102.063,51.162 104,53.098 104,56.8 104.79,57.59 104.79,60.149 103.734,61.256 103.82,64.849 103.838,65.625
OM-IRED: pad.4@94,68.2 Q5.5 Q5.6 UL3.2 UL3.5 | length 0.8
  Bottom Layer w1: Q5.5@104.2,72.3 Q5.6@104.2,73.075
OM-IYELLOW: pad.4@94,76.4 Q5.7 Q5.8 UL4.2 UL4.5 | length 4
  Bottom Layer w1: Q5.7@104.2,74.85 Q5.8@104.2,75.85
  Bottom Layer w1.5: UL4.2@92.6,77.9 95.6,77.9
OM-TURN: pad.4@94,60.1 Q4.7 Q4.8 UL2.2 UL2.5 | length 1
  Bottom Layer w1: Q4.7@104.2,67.675 Q4.8@104.2,68.65
RST: C5.1 J6.1 | length 8.5
  Bottom Layer w0.4: C5.1 127.2,62.6 127.6,62.2 133.02,62.2 J6.1
"Rst RAW": C5.2 M1.Reset R1.2 R3.1 U1.29 | length 42.8
  Top Layer w0.4: U1.29 v1(120.85,75.25) ; v1(123.4,76.5) 123.4,76.375 125.55,74.225 v1(125.55,73.375)
  Top Layer w0.5: M1.Reset@115.76,60.92 116.14,61.3 130.72,61.3 M1.Reset@131.1,60.92
  Bottom Layer w0.4: v1(120.85,75.25) 122.075,75.25 123.325,76.5 v1(123.4,76.5)
  Bottom Layer w0.5: R3.1@114.45,60.92 M1.Reset@115.76,60.92 ; v1(125.55,73.375) 125.55,62.475 126.95,61.075 C5.2 R1.2 129.13,60.92 M1.Reset@131,60.92
RX: J3.1 M1.RXD U1.30 | length 40.9
  Top Layer w0.4: U1.30 120.05,74.777 119.95,74.877 119.95,75.879 v1@120.05,75.979 ; v1@128.15,78.925 129.4,77.675 129.4,70.1 128.625,69.325 128.625,63.575 130.03,62.17 131.88,62.17 132.725,61.325 132.725,59.45 M1.RXD@131.655,58.38
  Top Layer w0.5: M1.RXD M1.RXD@131.655,58.38
  Bottom Layer w0.4: v1(120.15,76.175) 120.3,76.325 121.8,76.325 122.975,77.5 126.725,77.5 v1(128.175,78.95)
  Bottom Layer w0.5: M1.RXD J3.1@133.8,61.18
SCL: J22.1 M1.A5 U1.28 | length 53.2
  Top Layer w0.4: U1.28 121.65,74.777 121.75,74.877 121.75,75.875 121.2,76.425 121.2,77.675 120.6,78.275 119.575,78.275 118.3,77 118.3,75.2 117,73.9 114.075,73.9 112.9,75.075 112.9,84.475 114.275,85.85 121.31,85.85 v1(121.76,85.4) M1.A5
  Bottom Layer w0.5: v1(121.76,85.4) M1.A5 125.7,86.1 132.7,86.1 134.3,84.5 J22.1
SDA: J17.1 M1.A4 U1.27 | length 52.8
  Top Layer w0.4: U1.27 122.45,76.165 122.1,76.515 122.1,78.025 121.15,78.975 119.225,78.975 117.6,77.35 117.6,75.775 116.55,74.725 114.55,74.725 113.775,75.5 113.775,84.025 114.78,85.03 116.695,85.03 119.265,82.46 v1(124.6,82.46) M1.A4
  Bottom Layer w0.5: v1(124.6,82.46) M1.A4 125.92,84.17 126.95,85.2 132.2,85.2 132.6,84.8 132.6,82.96 J17.1
TX: J2.1 M1.TXD U1.31 | length 62.6
  Top Layer w0.4: U1.31 119.25,74.75 119.1,74.9 119.1,76.398 119.84,77.137 v1@120.037,77.137 ; v1(128.175,80.225) 128.425,79.975 132.125,79.975 132.7,79.4 132.7,69.975 129.4,66.675 129.4,65.25 129.9,64.75 132.175,64.75 132.625,65.2 132.625,66.7 133.6,67.675 135.05,67.675 136.05,66.675 136.05,57.75 134.95,56.65 131.81,56.65 M1.TXD
  Bottom Layer w0.4: v1(120.125,77.325) 121.575,77.325 122.55,78.3 126.25,78.3 v1(128.175,80.225)
  Bottom Layer w0.5: M1.TXD 133.58,58.42 J2.1@134.62,58.42
pads on no net: M1.D4 M1.D7 M1.D8 U1.1 U1.2 U1.11 U1.12 U1.16 U1.17 U1.18 U1.19 U1.20 U1.22 U1.24 U1.25 U1.26

## Polygon pours and split planes (outlines as drawn)
GND on Bottom Layer "GND0Bottom" (solid, pour order 29): 149,79 137.5,90.5 71.5,90.5 51,70 51,64.5 75,40.5 136.5,40.5 149,53
GND on Top Layer "GND-Top" (solid, pour order 31): 149,79 137.5,90.5 71.5,90.5 51,70 51,64.5 75,40.5 136.5,40.5 149,53

## Other copper
Top Layer:
  region net OM-IYELLOW: 91,78.7 91,75.7 92.2,75.7 93.7,74.2 99,74.2 99,75.975 98.125,75.975 97.5,76.6 97.5,78.7
  pour cut-out: 90.6,79.1 90.6,75.2 92.044,75.2 93.444,73.8 99.4,73.8 99.4,76.7 98.5,76.7 97.9,77.3 97.9,79.1
  region net OM-TURN: 98.95,60 96.95,58 90.95,58 90.95,62.2 94.45,62.2 95.85,63.6 98.95,63.6
  region net OM-IRED: 99,73.2 99,67.6 96.5,65.1 94.6,65.1 92.3,67.4 91,67.4 91,70.5 94.7,70.5 97.4,73.2
  pour cut-out: 99.5,73.6 99.5,67.4 96.8,64.7 94.467,64.7 92.367,66.8 90.8,66.8 90.6,67 90.6,70.9 94.3,70.9 97,73.6
  pour cut-out: 99.4,59.9 97.103,57.603 90.6,57.603 90.6,62.6 94.3,62.6 95.7,64 99.4,64
  region net "+5V P": 110.9,79 110.9,76.5 108.3,76.5 108.3,79
  pour cut-out: 107.9,79.4 111.194,79.4 111.194,76.1 107.9,76.1
  text ".Layer_Name" at 132.825,91.825 h1
  text "v 2.2" at 145.7,73.8 h1.5 r90
  text "dMirror" at 148,67.6 h1.5 r90
  text "BMW Moto" at 148,53.9 h1.5 r90
Bottom Layer:
  pour cut-out: 90.5,71 90.5,67.7 90.5,66.6 91.6,66.6 92.3,66.6 94.2,64.7 96.7,64.7 103.3,71.3 105.2,71.3 105.2,73.9 97.4,73.9 94.5,71
  pour cut-out: 90.3,62.2 90.3,57.3 97.8,57.3 99.5,59 99.5,63 103.1,66.6 105.35,66.6 105.35,69.3 101,69.3 93.9,62.2
  pour cut-out: 90.5,79.1 90.5,75.2 92.05,75.2 93.35,73.9 105.3,73.9 105.3,76.8 98.476,76.8 97.9,77.376 97.9,79.1
  region net GND: 107.7,86 106.7,86 105.7,85 105.7,84.3 108,84.3 108.4,84.7 108.4,85.3
  region net OM-IYELLOW: 91,78.7 91,75.7 92.2,75.7 93.7,74.2 104.8,74.2 104.8,75.975 104.8,76.55 103.5,76.55 102.925,75.975 98.075,75.975 97.5,76.55 97.5,78.7 94.577,78.7
  region net OM-TURN: 91,62.2 91,58 97.7,58 98.6,58.9 99,59.3 99,63.3 102.8,67.1 104.9,67.1 104.9,68.8 101.1,68.8 94.5,62.2
  region net OM-IRED: 91,70.5 91,67.4 92.3,67.4 94.6,65.1 96.5,65.1 103.2,71.8 104.8,71.8 104.8,73.6 97.8,73.6 94.7,70.5
  pour cut-out: 123.3,58.725 123.3,56.725 126.775,56.725 126.8,56.75 126.8,58.725
  pour cut-out: 117.95,59.23 117.95,56.75 121.425,56.75 121.45,56.775 121.45,59.23
  text ".Layer_Name" at 70.575,92.125 h1
  text "BMW Moto" at 147.6,78 h1.5 r90
  text "dMirror" at 147.6,63.6 h1.5 r90
  text "v 2.2" at 145,57.7 h1.5 r90
Multi-Layer:
  pour cut-out: 79.115,90.675 79.115,83.7 75.075,83.7 75.075,90.675
  pour cut-out: 79.14,47.375 79.14,40.4 75.1,40.4 75.1,47.375
  region net O-HLIGHT: 75.5,84.1 78.7,84.1 78.7,90.6 77.6,90.6 77.6,89.975 cw(c77.1,89.975) 76.6,89.975 76.6,90.6 75.5,90.6
  region net NetR5_2: 78.7,46.9 75.5,46.9 75.5,40.4 76.6,40.4 76.6,41.025 cw(c77.1,41.025) 77.6,41.025 77.6,40.4 78.7,40.4

## Silkscreen, mask and mechanical layers (free items; w line width, h text height)
Top Overlay:
  circle w0.1: c84.55,53.65 r3
  lines w0.1: 71.5,41.5 77.1,41.5 ; 87.1,44 88.1,44 ; 87.2,88.4 88.2,88.4 ; 87.6,43.5 87.6,44.5 ; 87.7,87.9 87.7,88.9 ; 103.9,88.2 103.9,87.1 105.2,85.8 ; 140.65,62.875 141.65,62.875 ; 140.65,69.45 141.65,69.45 ; 141.15,62.375 141.15,63.375 ; 141.15,68.95 141.15,69.95 ; 105.2,85.8 105.2,85.8
  lines w0.2: 72.1,59.3 82.7,48.7 97.8,48.7 101,45.5 105.55,45.5 108.188,48.138 ; 75,40.5 136.5,40.5 149,53 149,79 137.5,90.5 71.5,90.5 51,70 51,64.5 75.012,40.488 ; 98.925,52.45 98.925,60.3 99.35,60.725 ; 102.7,62.5 105.85,62.5 ; 108.45,56.75 109.5,55.7 112.9,55.7 ; 116,54.6 116,53.2 119.929,49.271 ; 117.1,56.225 117.425,55.9 118.6,55.9 120.8,53.7 120.8,53.6 ; 121,53.7 121,56.5 ; 139.651,66.147 ccw(c141.15,62.874) 142.638,66.152 ; 139.662,66.171 cw(c141.15,69.449) 142.648,66.176 ; 84.11,40.5 84.11,43.974 cw(c87.61,43.974) 91.11,43.974 91.11,40.5 84.11,40.5 ; 84.2,88.4 ccw(c87.7,88.4) 91.2,88.4 91.2,90.5 84.2,90.5 84.2,88.4
  text ".Layer_Name" at 132.825,91.825 h1
  text "R" at 101.139,87.889 h1
  text "L" at 137.75,83.25 h1
  text "L" at 66.55,80.6 h1
  text "-" at 88.8,80.4 h1.52
  text "<iYell" at 88.5,78.9 h1
  text "+" at 88.8,76.6 h1.52
  text "R" at 66.55,74.7 h1
  text "R" at 137.7,73.6 h1
  text "-" at 88.7,72.6 h1.52
  text "<Run Light" at 70.925,71.15 h1 r90
  text "<iRed" at 88.2,70.9 h1
  text "L" at 141.725,70.05 h1
  text "v 2.2" at 59.475,69.875 h1.5 r90
  text "+" at 62.5,69 h1.52 r180
  text "+" at 88.7,68.8 h1.52
  text "-" at 62.5,65.2 h1.52 r180
  text "-" at 88.6,64.5 h1.52
  text "<Turn" at 88.2,63 h1
  text "BMW Moto" at 56.45,61.65 h1.5 r90
  text "R" at 141.75,61.3 h1
  text "+" at 88.6,60.7 h1.52
  text "dMirror" at 59.425,58.6 h1.5 r90
  text "L" at 68.25,56.25 h1
  text "PRO" at 123.9,54.6 h1.52
  text "R" at 68.25,50.5 h1
  text "R" at 68.25,50.5 h1
  text "L" at 102.225,48.025 h1
  text "R" at 103.225,48.025 h1
  text "L" at 136.7,47.9 h1
  text "R" at 137.8,47.9 h1
Bottom Overlay:
  text ".Layer_Name" at 70.575,92.125 h1
Top Solder:
  text ".Layer_Name" at 132.825,91.825 h1
Bottom Solder:
  text ".Layer_Name" at 70.575,92.125 h1
Mechanical 2:
  text "86 x 50 mm Left and Right Version" at 52.675,98.575 h1
  text "F800 dMirror - Turn, Runlight, Indicator signals." at 52.65,96.8 h1
  text ".Pcb_File_Name_No_Path" at 52.6,94.75 h1
  text "v 2.2" at 138.8,94.3 h2
Mechanical 3:
  text "86 x 50 mm Left and Right Version" at 147.85,95.375 h1
  text "v 2.2" at 67.6,94.2 h2
  text "F800 dMirror - Turn, Runlight, Indicator signals." at 147.825,93.6 h1
  text ".Pcb_File_Name_No_Path" at 147.775,91.55 h1
Mechanical 5:
  circle w0.2: c141.15,69.45 r3.5
  circle w0.2: c87.7,88.4 r3.5
  circle w0.2: c87.6,44 r3.5
  circle w0.2: c137.575,48.4 r1.55
  circle w0.2: c126.075,47.15 r1.55
  circle w0.2: c138,83.5 r1.55
  circle w0.2: c138,74 r1.55
  circle w0.2: c126,51 r1.55
  circle w0.2: c103,48.5 r1.55
  circle w0.2: c68.5,51 r1.55
  circle w0.2: c101.389,88.339 r1.55
  circle w0.2: c138,83.5 r1.55
  circle w0.2: c68.5,51 r1.55
  circle w0.2: c66.875,81 r1.55
  circle w0.2: c68.575,56.65 r1.55
  circle w0.2: c66.875,75.2 r1.55
  lines w0.2: 31.05,75.674 164.25,75.674 ; 34.75,87.174 149.05,87.174 ; 42.95,64.174 162.95,64.174 ; 47,56.724 47,61.224 ; 49.65,52.674 149.75,52.674 ; 51.5,50.424 51.5,95.624 ; 62.977,49.426 63,98.724 ; 71.05,41.174 147.25,41.174 ; 74.5,35.924 74.5,101.924 ; 86,34.224 86,103.424 ; 90.75,29.674 128.25,29.674 ; 97.2,27.224 97.2,99.474 ; 109,23.824 109,104.724 ; 120.5,26.424 120.5,102.924 ; 132,37.624 132,99.624 ; 143.5,38.424 143.5,95.324
  text "18mm" at 88.875,106.625 h1 r90
  text "6mm" at 136.45,105.25 h1 r90
  text "7mm" at 132.4,105.025 h1 r90
  text "R" at 125.75,50.5 h1
  text "L" at 125.75,46.75 h1
Mechanical 6:
  circle w0.2: c141.15,62.951 r3.5
  circle w0.2: c87.7,44.001 r3.5
  circle w0.2: c87.6,88.401 r3.5
  circle w0.2: c137.575,84.001 r1.55
  circle w0.2: c126.075,85.251 r1.55
  circle w0.2: c138,48.901 r1.55
  circle w0.2: c138,58.401 r1.55
  circle w0.2: c137.5,81.401 r1.55
  circle w0.2: c126,81.401 r1.55
  circle w0.2: c103,83.901 r1.55
  circle w0.2: c68.5,81.401 r1.55
  circle w0.2: c101.75,45.151 r1.55
  circle w0.2: c138,48.901 r1.55
  circle w0.2: c68.5,81.401 r1.55
  circle w0.2: c59.275,73.551 r1.55
  circle w0.2: c67.675,51.401 r1.55
  circle w0.2: c68.575,75.751 r1.55
  lines w0.2: 31.05,56.727 164.25,56.727 ; 34.75,45.227 149.05,45.227 ; 42.95,68.226 162.95,68.226 ; 47,71.177 47,75.677 ; 49.65,79.727 149.75,79.727 ; 51.5,36.777 51.5,81.977 ; 62.977,82.975 63,33.677 ; 71.05,91.227 147.25,91.227 ; 74.5,30.477 74.5,96.477 ; 86,28.977 86,98.177 ; 90.75,102.727 128.25,102.727 ; 97.2,32.927 97.2,105.177 ; 109,27.677 109,108.577 ; 120.5,29.477 120.5,105.977 ; 132,32.777 132,94.777 ; 143.5,37.077 143.5,93.977
  text "L" at 125.75,85.651 h1 r180
  text "R" at 125.75,81.901 h1 r180
  text "7mm" at 132.4,27.376 h1 r90
  text "6mm" at 136.45,27.151 h1 r90
  text "18mm" at 88.875,25.776 h1 r90
Drill Drawing:
  text ".Legend" at 52.7,102.7 h1

## Dimensions
68.5,90.5 to 69.5,40.5 on Mechanical 2
68.5,90.5 to 69.5,40.5 on Mechanical 3
51,40 to 149,41 on Mechanical 2
51,40 to 149,41 on Mechanical 3